# KiCad board plinkyblack_hwmidi_jacks.kicad_pcb (continued)
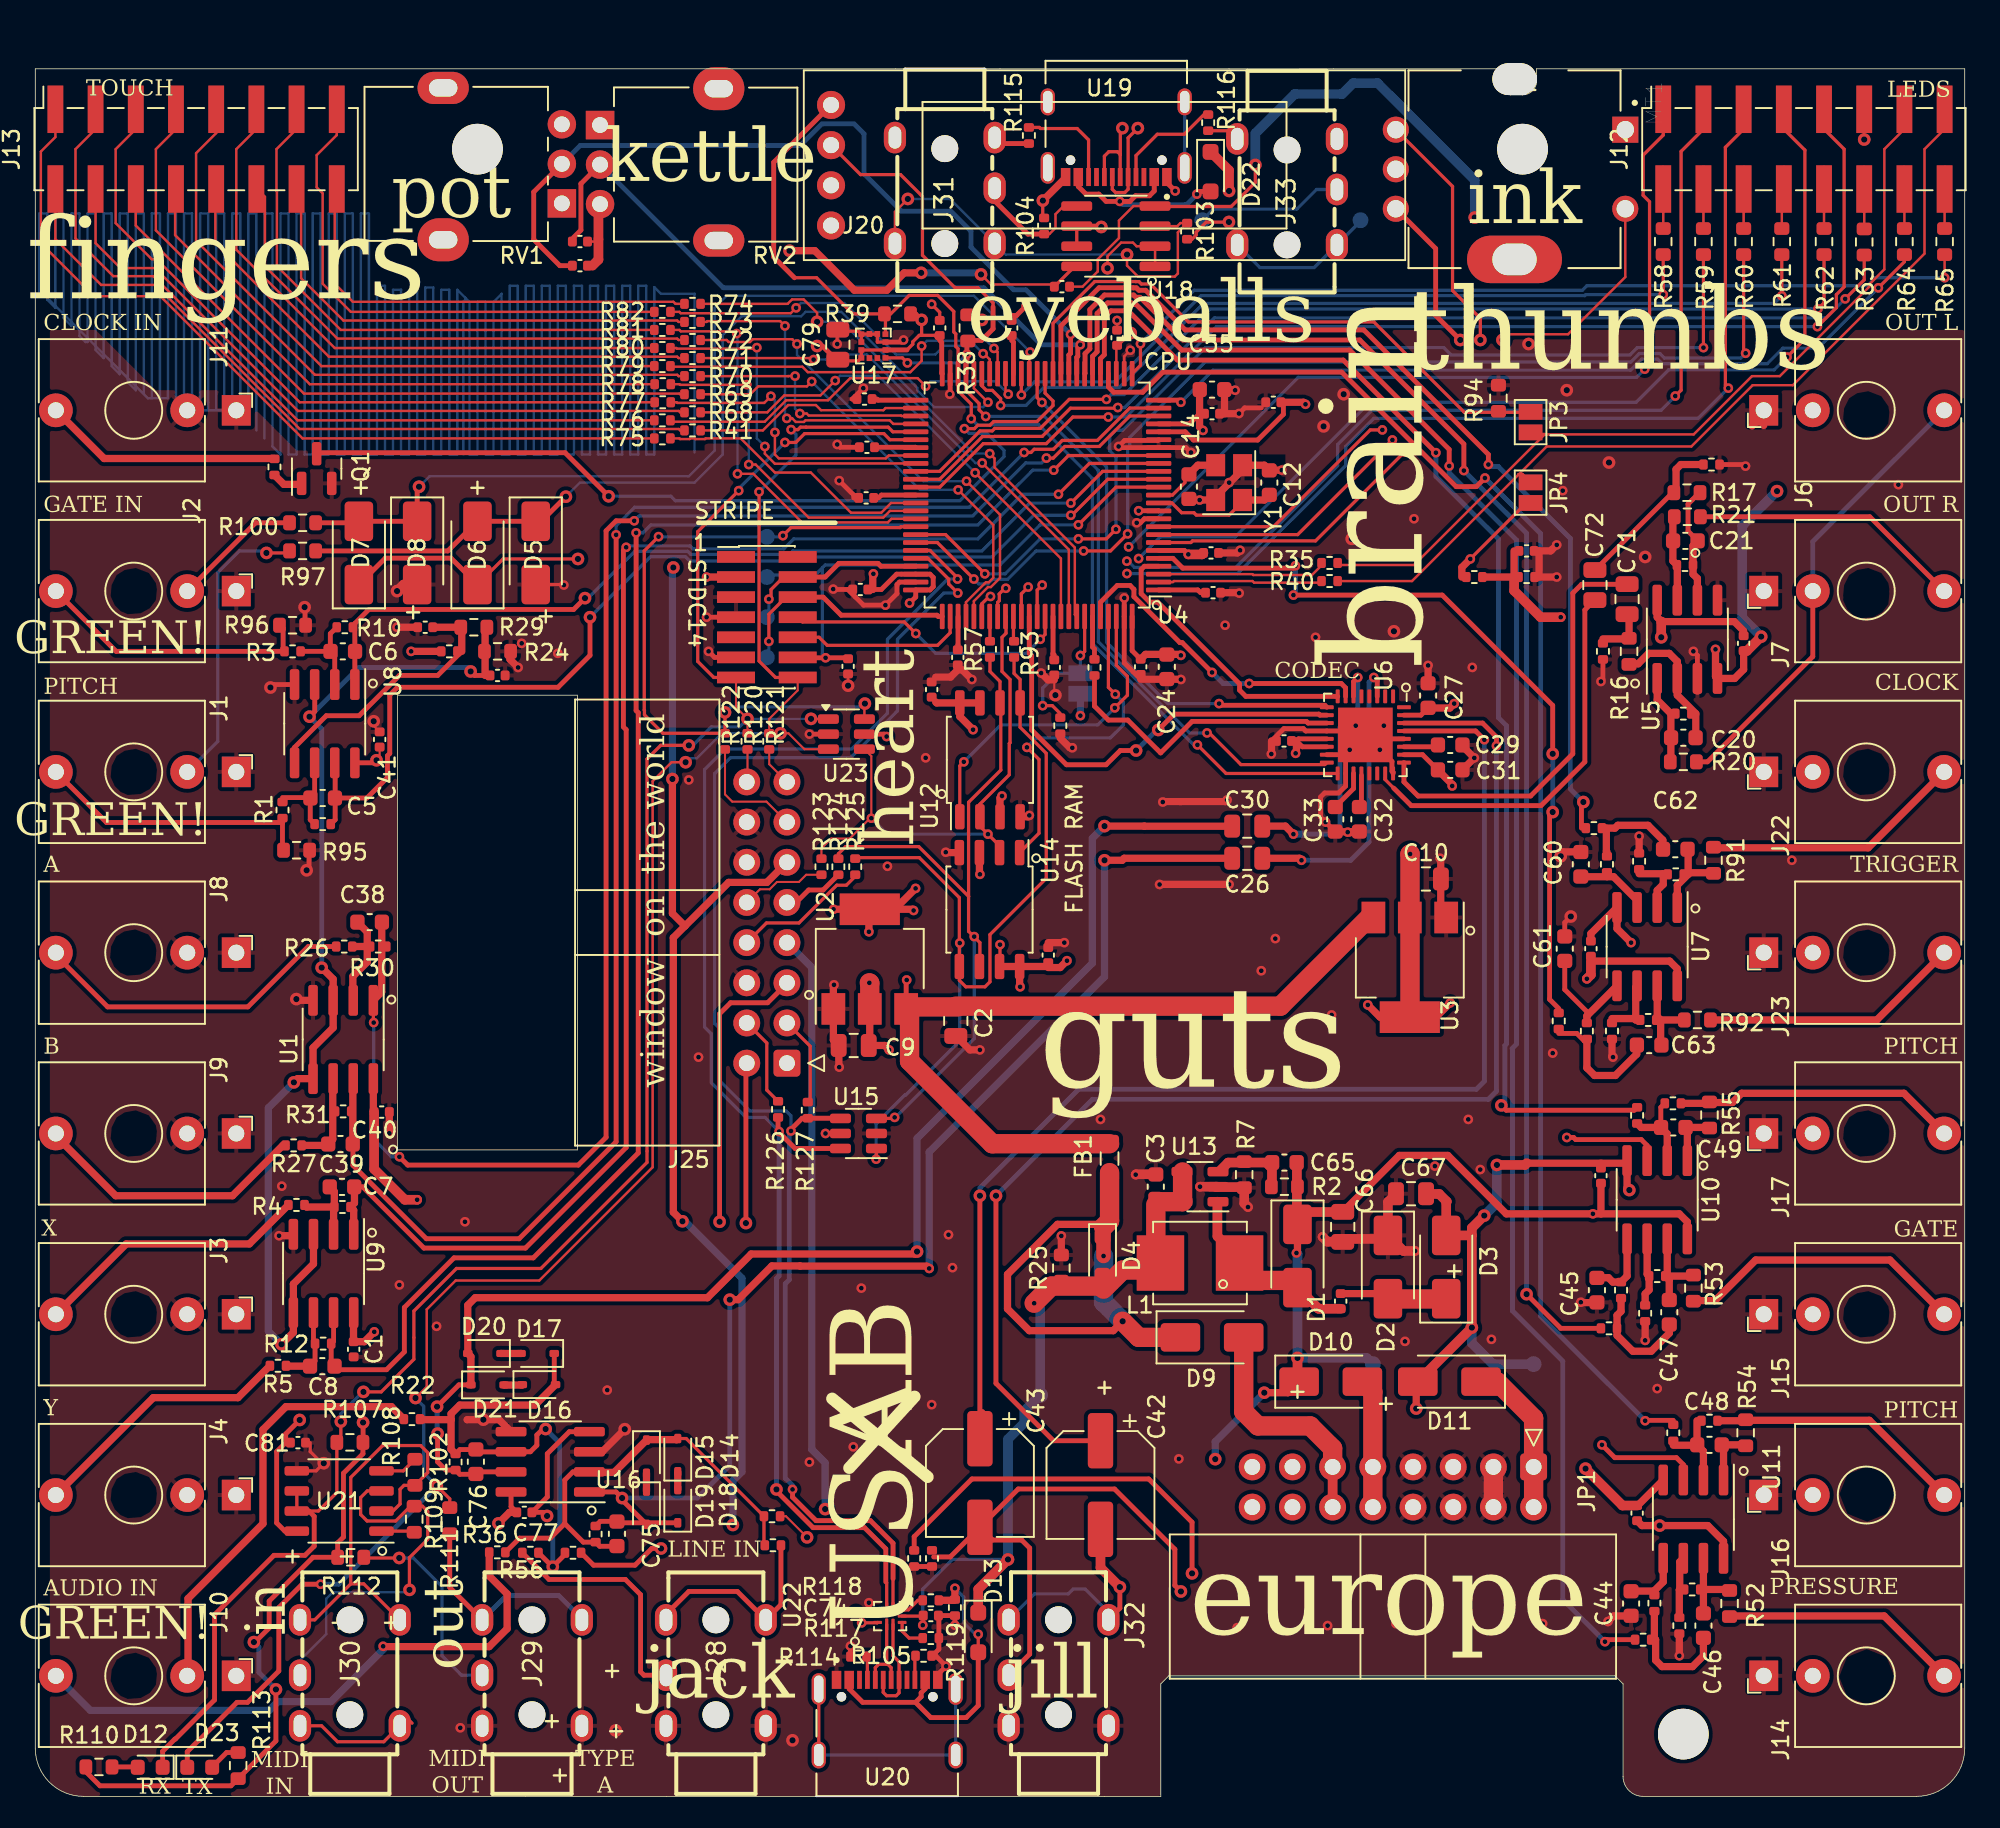
[diagram p0: board, top side]
## Routing (per net, layer and track width the routed paths; a pad name or vN(x,y) marks a point on that pad's centre or on a via; arc(x,y) is an arc through that point) (continued)
  Bottom w0.152: v1(44.32,92.48) 44.37,92.43 v1(44.37,83.62)
T16: length 23.3
  Top w0.152: 40.11,93.85 40.7,93.85 40.79,93.77 47.74,93.77 v1(48.08,94.11) ; U4.44 60.31,90.85 59.95,91.21 v1(59.89,91.21)
  Bottom w0.152: v1(48.08,94.11) 48.38,94.41 51.13,94.41 54.38,91.16 56.87,91.16 57.42,91.71 59.39,91.71 v1(59.89,91.21)
T_AUDIOL: length 207.8
  Top w0.203: J32.T 61.51,11.73
  Top w0.305: J32.T 68.53,11.89 v2(68.53,13.23) ; v2(73.09,14.1) 73.09,17.33 70.36,20.07 59.18,20.07 55.54,16.42 R33.1
  Top w0.61: C42.2 67.31,14.46 v2(68.53,13.23)
  In2.Cu w0.305: v2(68.53,13.23) 71.24,13.23 72.11,14.1 v2(73.09,14.1) 113.03,14.1 116.46,17.53 116.46,76.01 113.05,79.42 110.96,79.42 95.87,94.51 78.22,94.51 75.95,96.78 J33.T
  Bottom w0.203: J32.T 63.14,12.8 65.27,12.8 65.58,13.11 66.34,13.11 67.81,11.64 J32.T ; T_AUDIOL1.1 83.74,99.58 80.82,96.66 77.38,96.66 J33.T
T_AUDIOR: length 198.6
  Top w0.305: C43.2 57.82,15.14 56.77,15.14 ; C43.2 62.11,19.43 68.2,19.43 72.01,15.62 72.01,13.34 v2(72.39,12.95) ; C43.2 60.5,16.21 62.33,16.21 62.84,15.7 62.84,8.99 J32.R
  In2.Cu w0.305: v2(72.39,12.95) 113.03,12.95 117.09,17.02 117.09,76 113.18,79.92 111.11,79.92 95.91,95.12 88.27,95.12 87.58,95.81 81.94,95.81 80.77,96.98 80.77,100.11 J33.R
  Bottom w0.203: J33.R 80.96,101.59 79.72,100.35 74.44,100.35 T_AUDIOR1.1
TS1: length 10.5
  Top w0.152: U4.2 71.88,76.77 71.95,76.84 76.91,76.84 77.02,76.73 81.43,76.73
TS1_: length 55.1
  Top w0.152: 82.27,76.84 87,76.84 95.5,85.34 104.65,85.34 108.52,89.22 111.06,89.22 119.38,97.54 119.38,104.14 120.65,105.41
  Top w0.203: 94.49,83.06 93.98,83.57 93.73,83.57
TS2: length 10.6
  Top w0.152: 81.3,77.85 80.67,77.22 76.96,77.22 76.91,77.27 U4.3
TS2_: length 52.7
  Top w0.152: 118.11,105.41 116.84,104.14 116.84,96.54 115.93,95.63 115.93,95.48 110.24,89.79 108.48,89.79 104.79,86.11 95.38,86.11 87.12,77.85 82.27,77.85
  Top w0.203: 95.38,86.11 94.62,86.11 JP3.2
TX: length 126.6
  Top w0.13: J5.14 48.18,69.92 46.38,68.12 R121.1 47.59,67.21 48.6,66.21 U23.3
  Top w0.152: v2(41.09,65.38) 40.21,65.38 39.01,64.18 39.01,39.78 31.85,32.61 26.56,32.61 24.74,30.78 24.74,25.9 v2(24.02,25.18)
  Top w0.203: v1(45.74,82.47) 45.74,71.78 46.77,70.74 J5.14 ; R111.2 26.19,18.81 v2(25.37,19.62) ; U4.55 54.19,86.27 53.9,86.56 48.71,86.56 48.35,86.56 48.19,86.41 v1(47.76,86.41)
  Top w0.305: D23.1 9.6,2.82 10.31,3.53 10.33,3.53 12.75,5.94 13.41,5.94 15.39,7.92 15.39,11.94 16.86,13.41 v1(18.03,13.41)
  Bottom w0.152: v2(41.09,65.38) 41.14,65.38 41.4,65.63 41.8,65.63 43.38,67.21 v2(47.09,67.21)
  Bottom w0.203: v1(47.76,86.41) 48.06,86.1 48.06,84.8 v1(45.74,82.47) ; v2(24.02,25.18) 24.54,24.66 24.54,20.45 v2(25.37,19.62)
  Bottom w0.305: v2(25.37,19.62) 19.16,13.41 v1(18.03,13.41)
VREF: length 138.4
  Top w0.203: 94.74,81.52 93.97,81.52 v1(90.68,78.23)
  Top w0.305: 79.02,88.14 78.87,87.99 78.87,87.38 77.24,85.75 73.18,85.75 72.66,86.27 U4.21
  Top w0.457: v1(90.68,78.23) 90.14,77.7 90.14,77.09 ; v1(80.26,88.01) 80.14,88.14 79.02,88.14 ; v1(23.75,72.39) 25.37,72.39
  In2.Cu w0.457: v1(80.26,88.01) 78.7,89.57 73.59,89.57 68.27,94.89 62.89,94.89 62.18,95.61 62.18,99.57 62.77,100.17 62.12,100.82 62.12,105.83 61.31,106.63 53.44,106.63 52.47,105.66 RV2.1
  In2.Cu w0.61: v1(80.26,88.01) 81.41,88.01 90.68,78.74 v1(90.68,78.23) ; v1(23.75,72.39) 29.46,78.11 29.46,96.9 RV1.1 31.37,102.62 31.37,106.68 32.51,107.82 34.42,107.82 35.69,106.55 RV2.1
VREF1: length 68.5
  Top w0.305: U8.3 17.66,70.29 17.66,68.59 v2(17.33,68.26) ; 28.42,70.87 27.76,70.87 v2(27.51,71.12)
  Top w0.457: v2(16.34,45.14) 16.58,45.38 U1.5 17.55,47.33 18.82,48.6 U1.3 18.82,51.67 v2(18.1,52.39) ; 28.42,70.87 28.42,73.84 28.5,73.91 ; U9.3 17.58,33.66 16.31,32.39 U9.5 16.31,29.33 v2(15.56,28.58)
  Bottom w0.305: v2(27.51,71.12) 27.26,71.37 20.44,71.37 v2(17.33,68.26) 18.1,67.49 v2(18.1,52.39)
  Bottom w0.457: v2(16.34,45.14) 14.73,43.53 14.73,29.41 v2(15.56,28.58)
VREF125: length 17.1
  Top w0.305: 16.38,65.34 16.38,66.32 18.38,68.32 20.46,68.32 23.01,70.87 25.43,70.87 26.95,72.39
  Top w0.457: 25.43,73.91 26.92,73.91 26.95,73.89 26.95,72.39
VREF_125_OUT: length 75.1
  Top w0.305: U10.3 101.85,41.15 101.48,41.52 97.34,41.52 97.21,41.66 v1(96.77,41.66) ; v1(99,22.23) 99.81,21.41 103.7,21.41 104.14,20.98 U11.3
  Top w0.457: 93.45,78.74 93.45,77.09 91.72,77.09
  Top w0.61: v1(96.39,74.55) 95.12,74.55 93.45,76.23 93.45,77.09
  In2.Cu w0.457: v1(99,22.23) 96.77,24.45 v1(96.77,41.66)
  In2.Cu w0.61: v1(96.39,74.55) 96.77,74.17 96.77,60.45 97.25,59.98 97.25,57.12 96.17,56.04 96.17,51.91 96.77,51.31 v1(96.77,41.66)
Net-(C20-Pad1): length 5.6
  Top w0.457: 103.35,65.41 103.35,68.45 102.49,69.32 U5.1
Net-(C21-Pad1): length 5.4
  Top w0.457: 103.61,80.9 103.48,80.77 103.48,78.1 103.76,77.82 U5.7
Net-(C46-Pad1): length 7.4
  Top w0.457: 102.31,11.43 102.31,9.98 102.39,9.91 102.39,8.61 102.79,8.2 104.72,8.2 105.41,8.89 105.41,10.01
Net-(C46-Pad2): length 5.1
  Top w0.457: 105.49,13.08 105.41,13 105.41,11.58 ; 105.49,13.08 106.96,13.08 107.06,12.98 ; 105.49,13.08 105.41,13.16 U11.7
Net-(C47-Pad1): length 7.2
  Top w0.457: R46.2 100.2,30.66 99.95,30.41 R43.1 99.95,29.14 100.95,28.14 102.11,28.14 103.25,29.28 103.25,29.82
Net-(C47-Pad2): length 5.8
  Top w0.457: 103.25,31.39 103.25,32.64 R47.2 ; R47.2 104.75,32.89 ; R47.2 103.12,33.02 U10.7
Net-(C48-Pad1): length 3.8
  Top w0.457: 108.08,22.2 108.05,22.23 106.58,22.23 106.68,22.12 U11.1
Net-(C49-Pad1): length 3.6
  Top w0.457: U10.1 104.39,42.19 104.29,42.29 105.79,42.29
Net-(C62-Pad1): length 6.1
  Top w0.457: 102.84,59.88 102.84,60.46 101.91,61.39 100,61.39 99.82,61.21 99.28,61.21 99.28,59.75 99.31,59.72
Net-(C62-Pad2): length 5.6
  Top w0.457: 106.05,58.39 104.55,58.39 104.45,58.29 ; 104.45,58.29 104.45,59.85 104.42,59.88 ; 104.45,58.29 103.76,57.61 U7.1
Net-(C63-Pad1): length 8.1
  Top w0.305: 98.04,47.6 97.41,48.23 96.27,48.23
  Top w0.457: 98.04,47.6 98.04,46.06 98.53,45.58 99.85,45.58 101.19,46.92 101.19,47.5
Net-(C63-Pad2): length 5.4
  Top w0.457: 102.77,47.5 102.71,47.56 102.71,49.09 ; 102.71,49.09 104.24,49.09 ; 102.71,49.09 102.49,49.3 U7.7
Net-(C71-Pad1): length 3.3
  Top w0.457: 99.06,73.18 100.71,73.18 100.71,74.63 100.58,74.75
Net-(C72-Pad1): length 10.2
  Top w0.305: 98.55,77.52 103.46,82.42 103.58,82.42
  Top w0.457: 103.58,82.42 103.68,82.52 103.68,83.9 103.98,84.2 105.13,84.2
Net-(D1-A): length 11.8
  Top w0.61: 74.7,37.59 74.7,35.41 76.14,33.97 ; D1.2 81.09,30.83 C4.2
  Top w1.219: L1.2 77.2,32.62 79.3,32.62 D1.2
Net-(D2-A): length 7.2
  Top w0.305: 85.18,31.75 D2.2
  Top w0.457: C4.1 85.15,31.79 D2.2
  Top w1.219: 85.49,31.45 89.2,31.45
Net-(D4-K): length 31.7
  Top w0.457: 67.44,36.16 64.59,36.16 61.43,33 61.43,30.82 62.81,29.44 68.11,29.44 v2(68.71,30.04)
  Top w0.914: v1(67.5,34.16) 67.5,36.01
  Top w1.219: v2(68.71,30.04) 69.72,29.02 D9.1 ; 67.5,36.01 67.88,36.39 67.88,39.43
  Bottom w1.219: v1(67.5,34.16) 67.5,31.24 v2(68.71,30.04)
Net-(D9-A): length 15
  Top w0.61: JP1.12 JP1.11
  Top w1.219: JP1.11 81.98,22 80.56,23.42 77.26,23.42 76.36,24.32 D9.2
Net-(D10-A): length 8.2
  Top w1.219: JP1.10 84.52,25.56 D10.2
Net-(D11-K): length 9.9
  Top w1.219: D11.1 92.36,26.22 94.68,23.9 JP1.1 JP1.2
Net-(D12-A): length 1.6
  Top w0.305: R110.1 6.45,1.86 D12.2
Net-(D13-A): length 21.3
  Top w0.203: D13.2 v1(59.58,10.25)
  Top w0.305: 55.62,5.94 55.98,6.3 55.98,6.55 56.23,6.8 U20.B4_A9 ; 55.62,5.94 56.59,4.98 58.82,4.98 59.58,5.74 D13.2 ; 55.62,5.94 52.29,5.94 51.43,6.8 U20.A4_B9
  Top w0.457: R118.1 58.06,12.4 R119.1 v1(58.11,13.16)
  Bottom w0.203: v1(59.58,10.25) 59.39,10.25 58.67,10.97 58.67,12.6 v1(58.11,13.16)
Net-(D14-A): length 28.7
  Top w0.203: D14.2 41.13,22.62 R6.1 46.04,15.93 R37.1
  Top w0.305: 33.46,17.24 34.63,16.07 R101.2 35.67,15.81 36.75,15.81 ; 33.46,17.24 32.54,16.33 30.6,16.33 R36.1 ; 33.46,17.24 33.46,20 33.97,20.52 U16.2
  Top w0.457: D14.2 40.53,22.55 38.65,22.55 D15.1 36.58,20.48 35.05,20.48 U16.2
Net-(D14-K): length 1.1
  Top w0.457: D14.1 D18.2
Net-(D15-A): length 1.1
  Top w0.457: D15.2 D19.1
Net-(D16-A): length 32.6
  Top w0.305: R23.1 33.47,15.29 v2(32.7,14.52) 32.67,14.52 R56.1 ; D16.2 32.79,26.11 D17.1 32.82,27.97 ; R102.2 26.83,21.93 27.82,21.93 27.84,21.95 28.01,21.78 30.06,21.78 U16.6 31.29,21.79 31.69,22.19 31.69,22.85 32.07,23.22 v2(32.25,23.22)
  Top w0.457: R102.2 26.56,21.65 26.27,21.94 26.27,23.81 ; R22.1 24.35,23.81 26.28,23.81 26.28,24.19 26.82,24.74 31.58,24.74 D16.2
  Bottom w0.305: v2(32.25,23.22) 33.13,22.34 33.13,17.21 32.7,16.78 v2(32.7,14.52)
Net-(D16-K): length 1.2
  Top w0.457: D16.1 30.75,26 29.64,26 D20.2
Net-(D17-A): length 1.3
  Top w0.457: D21.1 D17.2
Net-(D18-K): length 80.1
  Top w0.305: D18.1 36.85,17.3 36.75,17.39 35.7,17.39 R101.1 ; D19.2 37.08,18.74 v2(37.08,18.86) 36.7,19.25 U16.1
  Top w0.457: v2(43.88,31.4) 44.41,31.4 46.54,33.53 48.32,33.53 48.34,33.52 56.34,33.52 v1(56.49,33.38) ; 75.64,59.31 68.81,59.31 68.68,59.18 v2(67.56,59.18)
  Bottom w0.305: v2(37.08,18.86) 41.84,18.86 43.88,20.91 v2(43.88,31.4)
  Bottom w0.457: v1(56.49,33.38) 56.49,40.74 67.56,51.82 v2(67.56,59.18)
Net-(D20-K): length 86
  Top w0.305: v2(25.39,24.64) 26.77,26.02 D20.1 ; v2(25.42,22.94) 25.42,21.15 25.94,20.63 R102.1 26.82,20.36 27.84,20.36 27.99,20.52 U16.7
  Top w0.457: D20.1 27.53,27.8 D21.2 27.33,31.05 27.8,31.53 42.48,31.53 45.24,34.29 55.56,34.29 v2(55.72,34.44) ; 75.57,61.34 75.56,61.33 70.08,61.33 70.08,61.34 v2(67.56,61.34)
  Bottom w0.305: v2(25.39,24.64) 25.39,22.97 v2(25.42,22.94)
  Bottom w0.457: v2(67.56,61.34) 66.8,60.57 66.8,52.68 55.72,41.6 v2(55.72,34.44)
Net-(D22-A): length 13.8
  Top w0.305: D22.2 73.57,101.47 v1(73.4,101.3) ; 69.17,100.84 67.66,100.84 67.2,101.3 66.39,101.3 65.91,101.78 U19.B4_A9 ; 69.17,100.84 v1(68.53,100.84) ; 69.17,100.84 69.52,101.19 70.41,101.19 70.71,101.49 U19.A4_B9
  Top w0.61: 74.3,101.5 D22.2
  Bottom w0.305: v1(68.53,100.84) 68.73,100.63 72.74,100.63 v1(73.4,101.3)
Net-(D23-A): length 2
  Top w0.305: R113.1 12.09,2.77 11.18,1.86 D23.2
Net-(J1-PadT): length 17.4
  Top w0.305: 15.72,59.82 15.62,59.92 15.62,61.57 4.5,61.57 J1.T
Net-(J1-PadTN): length 18.6
  Top w0.203: 16.1,78.74 15.98,78.61 v2(14.6,78.61)
  Bottom w0.203: J1.TN 11.53,66.7 11.53,77.37 12.9,78.74 14.48,78.74 v2(14.6,78.61)
Net-(J2-PadT): length 17.7
  Top w0.305: J2.T 5.11,72.39 15.66,72.39 15.66,73.85 15.47,74.04
Net-(J2-PadTN): length 8.3
  Top w0.305: J2.TN 13.92,80.52 16.1,80.52
Net-(J3-PadT): length 17.6
  Top w0.457: R4.2 13.53,34.93 5.75,34.93 J3.T
Net-(J4-PadT): length 16.9
  Top w0.457: J4.T 7.46,25.21 12.81,25.21 R5.2
Net-(J6-PadT): length 29.2
  Top w0.305: 104.93,65.41 105.66,65.41 112.32,72.06 J7.TN
  Bottom w0.305: J7.TN 112.32,79.33 J6.T
Net-(J7-PadT): length 17.4
  Top w0.305: 105.18,80.9 115.92,80.9 J7.T
Net-(J8-PadT): length 20.8
  Top w0.305: R26.2 17.25,53.73 13.43,49.91 4.57,49.91 1.3,53.18 J8.T
Net-(J9-PadT): length 17.6
  Top w0.457: R27.2 15.64,41.16 12.46,37.97 5.08,37.97 1.3,41.75 J9.T
Net-(J10-PadT): length 37.1
  Top w0.457: R36.2 28.68,13.93 29.82,12.8 29.82,10.6 28.68,9.47 21.98,9.47 v1(21.98,9.49) 21.99,9.5 ; J10.T 1.3,7.54
  Bottom w0.457: v1(21.98,9.49) 21.98,9.28 18.69,5.99 15.34,5.99 14.78,5.44 3.48,5.44 J10.T
Net-(J10-PadTN): length 27.4
  Top w0.457: R22.2 22.5,24.64 15.84,24.64 14.39,23.19 14.39,17.24 9.65,12.51 9.65,7.62
Net-(J11-PadT): length 15.1
  Top w0.457: J11.T 4.35,84.58 15.09,84.58 R8.2
Net-(J12-Pin_2): length 5
  Top w0.152: R58.2 J12.2
  Top w0.457: 102.87,100.36 102.87,102.87
Net-(J12-Pin_4): length 5
  Top w0.152: R59.2 J12.4
  Top w0.457: 105.41,100.36 105.41,102.87
Net-(J12-Pin_6): length 5
  Top w0.152: R60.2 J12.6
  Top w0.457: 107.95,100.36 107.95,102.87
Net-(J12-Pin_8): length 5.1
  Top w0.152: R61.2 110.36,101.49 J12.8
  Top w0.457: 110.49,102.87 110.36,102.74 110.36,100.36
Net-(J12-Pin_10): length 5
  Top w0.152: R62.2 J12.10
  Top w0.457: 113.03,100.36 113.03,102.87
Net-(J12-Pin_12): length 5.1
  Top w0.152: R63.2 J12.12
  Top w0.457: 115.57,100.33 115.57,102.87
Net-(J12-Pin_14): length 5
  Top w0.152: R64.2 J12.14
  Top w0.457: 118.11,100.36 118.11,102.87
Net-(J12-Pin_16): length 5
  Top w0.152: J12.16 R65.2
  Top w0.457: 120.65,100.36 120.65,102.87
Net-(J13-Pin_1): length 52.7
  Top w0.152: 39.14,85.85 16.89,85.85 7.9,94.84 3.7,94.84 0.35,98.2 0.35,103.99 1.27,104.91 J13.1
Net-(J13-Pin_2): length 49.2
  Top w0.152: 1.27,102.87 1.27,102.87 1.27,98.45 4.16,95.55 7.6,95.55 16.71,86.45 40.66,86.45 40.75,86.36 41.04,86.36
Net-(J13-Pin_3): length 48.8
  Top w0.152: 39.14,87 16.58,87 7.46,96.11 4.92,96.11 2.54,98.5 2.54,104.14 3.81,105.41
Net-(J13-Pin_4): length 46.3
  Top w0.152: 41.04,87.5 40.75,87.5 40.66,87.59 16.6,87.59 7.57,96.62 5.38,96.62 3.81,98.19 3.81,102.87
Net-(J13-Pin_5): length 45.2
  Top w0.152: 6.35,105.41 5.08,104.14 5.08,99.46 7.36,97.18 7.67,97.18 16.71,88.14 39.16,88.14
Net-(J13-Pin_6): length 42.7
  Top w0.152: 6.35,102.87 6.35,99.31 16.97,88.69 40.71,88.69 40.75,88.65 41.04,88.65
Net-(J13-Pin_7): length 42.5
  Top w0.152: 39.16,89.28 17.34,89.28 7.62,99.01 7.62,104.14 8.89,105.41
Net-(J13-Pin_8): length 40.1
  Top w0.152: 8.89,102.87 8.89,101.67 8.84,101.61 8.84,98.7 17.66,89.88 40.56,89.88 40.65,89.79 41.04,89.79
Net-(J13-Pin_9): length 39.9
  Top w0.152: 11.43,105.41 11.43,105.16 10.16,103.89 10.16,98.35 18.08,90.42 39.14,90.42
Net-(J13-Pin_10): length 37.4
  Top w0.152: 41.04,90.93 40.65,90.93 40.56,91.02 18.55,91.02 11.38,98.2 11.38,101.61 11.43,101.67 11.43,102.87
Net-(J13-Pin_11): length 37.2
  Top w0.152: 13.97,105.41 12.7,104.14 12.7,97.79 18.92,91.57 39.14,91.57
Net-(J13-Pin_12): length 34.8
  Top w0.152: 13.97,102.87 13.97,101.67 14.51,101.13 14.51,96.74 19.09,92.16 40.56,92.16 40.65,92.08 41.04,92.08
Net-(J13-Pin_13): length 34.7
  Top w0.152: 39.14,92.71 19.3,92.71 15.27,96.75 15.27,101.5 15.24,101.53 15.24,104.14 16.51,105.41
Net-(J13-Pin_14): length 32.4
  Top w0.152: 16.51,102.87 16.51,101.67 16.8,101.38 16.8,95.98 19.47,93.3 40.56,93.3 40.65,93.22 41.04,93.22
Net-(J13-Pin_15): length 32.2
  Top w0.152: 39.14,93.85 19.94,93.85 18.16,95.63 18.16,101.35 17.78,101.73 17.78,103.76 19.05,105.03 19.05,105.41
Net-(J13-Pin_16): length 29.9
  Top w0.152: 41.04,94.36 40.45,94.36 40.33,94.49 20.07,94.49 18.92,95.63 18.92,102.74 19.05,102.87
Net-(J14-PadT): length 15.1
  Top w0.457: J14.T 116.84,11.4 107.06,11.4
Net-(J15-PadT): length 18.3
  Top w0.457: J15.T 117.19,33.91 108.71,33.91 106.15,31.34 104.78,31.34
Net-(J16-PadT): length 16
  Top w0.457: J16.T 115.9,23.77 108.08,23.77 108.05,23.75 106.58,23.75
Net-(J17-PadT): length 17.9
  Top w0.457: J17.T 118.08,44.45 107.82,44.45 107.24,43.87 105.79,43.87 105.74,43.81 R51.1
Net-(J22-PadT): length 16.6
  Top w0.457: J22.T 115.82,59.97 106.05,59.97
Net-(J23-PadT): length 16.6
  Top w0.457: J23.T 116.37,49.09 105.82,49.09
Net-(J25-Pin_3): length 5.7
  Top w0.203: J25.3 48.97,47.43 48.97,44.05 R127.2
Net-(J25-Pin_4): length 5.8
  Top w0.203: J25.4 46.22,47.63 46.22,44.66 R126.2
Net-(J25-Pin_8): length 8.7
  Top w0.203: R125.2 51.81,58.17 51.25,57.61 50.64,57.61 48.26,55.22 46.2,55.22 J25.8
Net-(J25-Pin_9): length 4
  Top w0.305: R124.2 49.78,57.3 48.87,57.3 48.08,56.52 J25.9
Net-(J25-Pin_10): length 5.4
  Top w0.13: R123.2 48.71,58.27 48.26,57.81 46.87,57.81 46.41,57.35 45.79,57.35 J25.10
Net-(J25-Pin_13): length 7.5
  Top w0.13: J25.13 46.2,62.89 44.04,62.89 43.58,63.35 R122.2
Net-(J25-Pin_15): length 2.5
  Top w0.13: J25.15 46.38,65.26 R121.2
Net-(J25-Pin_16): length 2.1
  Top w0.13: R120.2 45.01,64.18 J25.16
Net-(J28-PadR): length 15.1
  Top w0.305: R56.2 32.46,13.71 37.29,13.71 38.25,12.75 38.25,7.87 38.46,7.66 J28.R
Net-(J28-PadT): length 13.1
  Top w0.305: J28.T 39.86,11.51 41.3,12.95 44.36,12.95 J28.T 47.12,12.12 47.12,15.88 47.13,15.86
Net-(JP2-B): length 9.2
  Top w0.203: 64.77,68.45 64.27,68.96 v1(63.66,68.96) ; v1(66.04,72.12) 66.31,72.39 U4.94
  Bottom w0.203: v1(63.66,68.96) 63.66,70.07 64.59,71.01 JP2.2 66.04,72.39
Net-(JP3-A): length 38
  Top w0.203: 94.62,87.5 90.3,87.5 84.58,93.22 72.86,93.22 70.47,95.61 69.9,95.61 69.74,95.77 69.55,95.77 69.54,95.77 66.95,95.77 64.31,93.13 U4.36
Net-(Q1-B): length 2
  Top w0.457: 16.83,82.95 15.7,82.95 R8.1
Net-(U1A--): length 6.7
  Top w0.457: C38.2 20.98,54.65 20.98,52.75 20.07,51.84 20.07,50.35 U1.2 ; R30.2 20.03,53.73 R26.1
Net-(U1B--): length 6
  Top w0.457: R27.1 18.41,41.16 18.8,41.54 18.8,45.35 U1.6
Net-(U4-PB4): length 2.9
  Top w0.305: C56.2 64.31,71.93 64.31,72.24 ; 64.31,72.24 U4.90 ; 64.31,72.24 64.39,72.16
Net-(U4-PB8): length 2.8
  Top w0.305: U4.95 66.81,72.66 66.93,72.54 R34.1
Net-(U4-PB12): length 2.5
  Top w0.305: U4.51 53.26,88.27 53.19,88.34
Net-(U4-PC6): length 2.4
  Top w0.305: U4.63 53.47,82.27 53.29,82.09
Net-(U4-PC10): length 1.8
  Top w0.305: 58.29,72.8 58.31,72.81 U4.78
Net-(U4-PD1): length 1.5
  Top w0.203: 60.32,73 60.32,74.55
Net-(U4-PD4): length 1.7
  Top w0.203: U4.85 61.81,72.94
Net-(U4-PD10): length 2.3
  Top w0.305: U4.57 55.61,85.29 53.34,85.29
Net-(U4-PE2): length 2.7
  Top w0.305: U4.1 73.46,76.27 73.63,76.1
Net-(U4-PE10): length 2.2
  Top w0.305: U4.41 61.81,91.94 61.7,92.05
Net-(U4-PH0): length 7.9
  Top w0.203: U4.12 71.82,81.77 72.44,81.15 73.22,81.15 73.37,81 75.43,81 76.29,81.86 Y1.1
  Top w0.457: 77.98,82.27 77.67,81.96 Y1.1
Net-(U4-PH1): length 4.5
  Top w0.203: 72.9,83.59 72.64,83.34 72.64,83.06 71.86,82.27 U4.13
  Top w0.457: Y1.3 73.46,84.16 72.9,83.59
Net-(U5A--): length 8.8
  Top w0.457: 104.93,66.93 104.93,68.45 103.76,69.62 U5.2 103.76,71.75 103.25,72.26 101.95,72.26 101.29,71.6 100.71,71.6
Net-(U5B--): length 7.6
  Top w0.305: 105.16,82.42 104.44,81.71 104.44,79.99 105.05,79.38
  Top w0.457: U5.6 105.03,77 104.75,77.27 104.75,79.07 105.05,79.38
Net-(U6-HP_COM): length 2.6
  Top w0.305: 82.14,62.56 83.3,63.72 U6.19
Net-(U6-LINE_COM): length 2
  Top w0.305: 83.8,64.54 83.8,62.69 83.67,62.56
Net-(U6-VMID): length 2.2
  Top w0.305: U6.27 88.51,66.36 88.62,66.47
Net-(U7A-+): length 4.6
  Top w0.457: 101.22,56.2 101.22,56.65 99.73,58.14 97.66,58.14
Net-(U7A--): length 3.8
  Top w0.457: U7.2 102.49,57.28 102.87,57.66 102.87,58.29 102.83,58.33 101.35,58.33
Net-(U7B-+): length 7.1
  Top w0.305: 98.04,49.17 98.04,49.61 96.65,51.01 96.65,52.81
  Top w0.457: U7.5 98.04,49.34 98.04,49.17
Net-(U7B--): length 3.7
  Top w0.457: 99.63,49.17 101.04,49.17 101.13,49.09 101.13,51.16 101.22,51.25
Net-(U8A--): length 5.5
  Top w0.305: 17.04,72.39 18.64,72.39 ; 18.64,72.39 18.64,73.51 R10.2 ; 18.64,72.39 18.92,72.11 U8.2
Net-(U8B--): length 5.9
  Top w0.305: 15.62,63.14 17.35,63.14 17.37,63.12 ; 17.37,63.12 17.65,63.4 U8.6 ; 17.37,63.12 17.37,61.75 R9.2
Net-(U9A--): length 5.1
  Top w0.457: U9.2 18.85,37.21 R11.2 ; R11.2 18.9,38.23 18.59,38.53 ; R11.2 17.14,37.26 R4.1
Net-(U9B--): length 5.1
  Top w0.305: U9.6 17.58,28.72 R12.2 17.68,27.53 17.35,27.2
  Top w0.457: 17.35,27.2 15.87,27.2 R5.1
Net-(U10A--): length 5.5
  Top w0.305: 102.72,42.29 102.72,43.56 R51.2
  Top w0.457: R49.1 101.47,42.29 102.72,42.29 103.12,41.88 U10.2
Net-(U10B-+): length 4.5
  Top w0.457: U10.5 100.58,32.9 R46.1 99.68,32.51 99.41,32.79 98.68,32.79
Net-(U10B--): length 4.3
  Top w0.457: R67.2 101.73,31.77 101.98,32.02 R47.1 101.85,33.02 U10.6
Net-(U11A--): length 5.4
  Top w0.457: 105,23.75 105,22.23 ; 105,22.23 105.41,21.82 U11.2 ; 105,22.23 104.98,22.2 103.51,22.2
Net-(U11B-+): length 3.8
  Top w0.457: 100.84,12.98 102.29,12.98 102.87,13.56 U11.5
Net-(U11B--): length 3.6
  Top w0.457: U11.6 103.91,14.82 103.91,13.08 103.89,13.06 103.89,11.58
Net-(U13-FB): length 4.8
  Top w0.61: 74.87,39.56 75.38,40.07 77.79,40.07 78.14,39.71 78.14,38.55
Net-(U18A-+): length 28.3
  Top w0.152: U18.3 72.16,99.27 72.36,99.47 R103.1 72.2,98.88 72.2,96.28 72,96.08 69.68,96.08 68.99,96.78 v2(68.99,97.48) ; J31.T 54.32,100.18 v2(55.14,100.99)
  Bottom w0.152: v2(68.99,97.48) 61.32,97.48 J31.T 57.8,100.99 v2(55.14,100.99)
Net-(U18B-+): length 8.4
  Top w0.152: R104.1 64.08,98.77 64.47,99.16 64.47,100.03 64.98,100.54 U18.5
  Top w0.305: R104.1 62.72,98.77 60.62,100.87 J31.R 60.62,101.43 60.65,101.4
Net-(U19-CC1): length 7.2
  Top w0.203: U19.A5 69.56,103.74 70.9,105.08 72.6,105.08 73.98,106.47 74.25,106.47
Net-(U19-CC2): length 6.4
  Top w0.203: U19.B5 66.56,104.72 65.83,105.45 63.51,105.45 63.44,105.51 R115.1
Net-(U19-DN1): length 202.4
  Top w0.203: v2(69.67,105.47) 69.06,104.86 U19.B7 69.06,101.6 68.85,101.4 68.26,101.4 68.06,101.6 U19.A7 ; v1(51.86,11.63) 52.33,11.63 52.57,11.4 U22.4
  In2.Cu w0.203: v1(51.86,11.63) 51.56,11.33 51.56,10.82 53.03,9.35 71.89,9.35 74.48,11.94 114.3,11.94 118.47,16.1 118.47,76.02 97.95,96.54 97.95,98.59 96.33,100.21 94.16,100.21 87.24,107.12 74.99,107.12 73.21,105.34 69.79,105.34 v2(69.67,105.47)
Net-(U19-DP1): length 199.8
  Top w0.203: U19.B6 67.56,103.7 67.84,103.98 68.38,103.98 68.56,103.8 ; U19.A6 68.56,103.79 68.56,103.8 ; U22.5 53.2,10.97 v1(52.22,10.97) ; 68.56,103.8 68.56,105.34 v2(68.69,105.47)
  In2.Cu w0.203: v1(52.22,10.97) 52.42,10.97 53.69,9.7 71.76,9.7 74.5,12.45 114.05,12.45 118.11,16.51 118.11,75.89 97.61,96.4 97.61,98.45 96.19,99.87 94.01,99.87 87.1,106.78 75.18,106.78 73.23,104.83 69.33,104.83 v2(68.69,105.47)
Net-(U19-SHIELD-PadS1): length 17
  In2.Cu w0.203: U19.S2 U19.S4 U19.S3
  Bottom w0.203: U19.S1 U19.S3
Net-(U20-CC1): length 1.5
  Top w0.203: R114.2 52.58,8.78 U20.A5
Net-(U20-CC2): length 1.5
  Top w0.203: U20.B5 55.58,8.82
Net-(U20-DN1): length 5.3
  Top w0.203: 53.79,8.35 53.29,8.35 53.08,8.14 U20.B7 ; 53.79,8.35 53.78,8.37 53.8,8.39 U22.6 ; 53.79,8.35 53.87,8.35 54.08,8.14 U20.A7
Net-(U20-DP1): length 6.4
  Top w0.203: U20.A6 53.58,6.57 53.79,6.36 54.4,6.36 54.58,6.55 U20.B6 54.58,8.51 54.2,8.89 U22.7
Net-(U20-SHIELD-PadS1): length 17
  Top w0.203: U20.S1 U20.S3
  Bottom w0.203: U20.S2 U20.S4 U20.S3
Net-(U21-ANODE_1): length 2.1
  Top w0.203: U21.1 23.87,16.77 R109.2
Net-(U21-ANODE_2): length 2.4
  Top w0.203: U21.4 23.26,20.58 R108.2
Net-(U21-CATHODE_1): length 26.5
  Top w0.203: 19.93,13.44 20.75,13.44 J30.T ; 19.93,13.44 19.93,20.16 21.95,22.18 24.35,22.18 24.8,21.73 24.8,20.47 R108.1 23.3,19.66 23.05,19.41 23.05,18.48 22.6,18.04 U21.2 ; 19.93,13.44 17.66,11.16 J30.T
Net-(U21-CATHODE_2): length 23.9
  Top w0.203: U21.3 20.98,19.31 20.56,18.89 20.56,17.82 20.97,17.41 22.77,17.41 23.71,18.35 R109.1 24.46,18.35 24.8,18.01 24.8,16.25 23.64,15.09 23.64,13.06
  Bottom w0.152: J30.R 16.73,8.6 18.39,10.26 18.39,12.5 18.79,12.9 23.49,12.9 v2(23.65,13.06)
Net-(U22-OE): length 2
  Top w0.203: U22.8 54.77,10.45 55.22,10.01 R117.1
Net-(U22-SEL): length 1.6
  Top w0.203: U22.10 55.18,11.8 55.77,12.4 R118.2
unconnected-(J30-PadS): length 7.4
  Top w0.203: J30.S 18.09,4.46 19.1,3.45 22.02,3.45 J30.S ; 23.81,4.63 23.63,4.81

## Copper pours and planes (outline as drawn; the poured copper is in the pictures)
+3V3 on In2.Cu: 35.69,100.46 80.96,100.33 80.84,60.96 65.15,60.96 65.15,44.7 53.85,44.7 35.56,44.96
GND on Top: 0.92,92.71 125.38,92.71 125.38,-17.78 0.92,-17.78
GND on Bottom: -1.27,110.49 123.19,110.49 123.19,0 -1.27,0
GND on In1.Cu: -1.27,110.49 123.19,110.49 123.19,0 -1.27,0

## Text on the board
B.Silkscreen: MIDI IN | MIDI OUT | CIPO | COPI | GND | RX | DM | RED STRIPE | LINE IN | 3v3 | SCL | SDA | DP | TX | 5v | DBG | CLK | -12v | +12v | USB | BOOT0 (FLASH) | PHONES | EURORACK POWER | thanks to / @lpzw_modules / @thonk_synth / @rocket_not / @scolar / @mksoundmachines / @crazyemperor893 / @dmillr / @denki_oto / @miunau / @loopop / @cheevil / & isla & ziggy / - @mmalex, january 2024 | don't plug power here. / it's an expansion port. | +5v | Open Source Hardware: CERN-OHL-P v2 / License: https://ohwr.org/cern_ohl_p_v2.txt / https://github.com/plinkysynth/plinky_public | plinkysynth.com / version 3.1
User.Eco1: +
F.Silkscreen: + | 1 | STRIPE | CPU | FLASH RAM | STDC14 | X | CLOCK IN | GATE IN | PITCH | A | B | Y | AUDIO IN | LEDS | TOUCH | RX | TX | MIDI / IN | MIDI / OUT | TYPE / A | LINE IN | CODEC | PRESSURE | OUT L | OUT R | CLOCK | TRIGGER | GATE | window  on  the world | GREEN! | in | out | pot | kettle | jack | jill | ink | heart | eyeballs | fingers | europe | thumbs | USAB | guts | brain
